# KiCad board MissionOrderFile.kicad_pcb (continued)
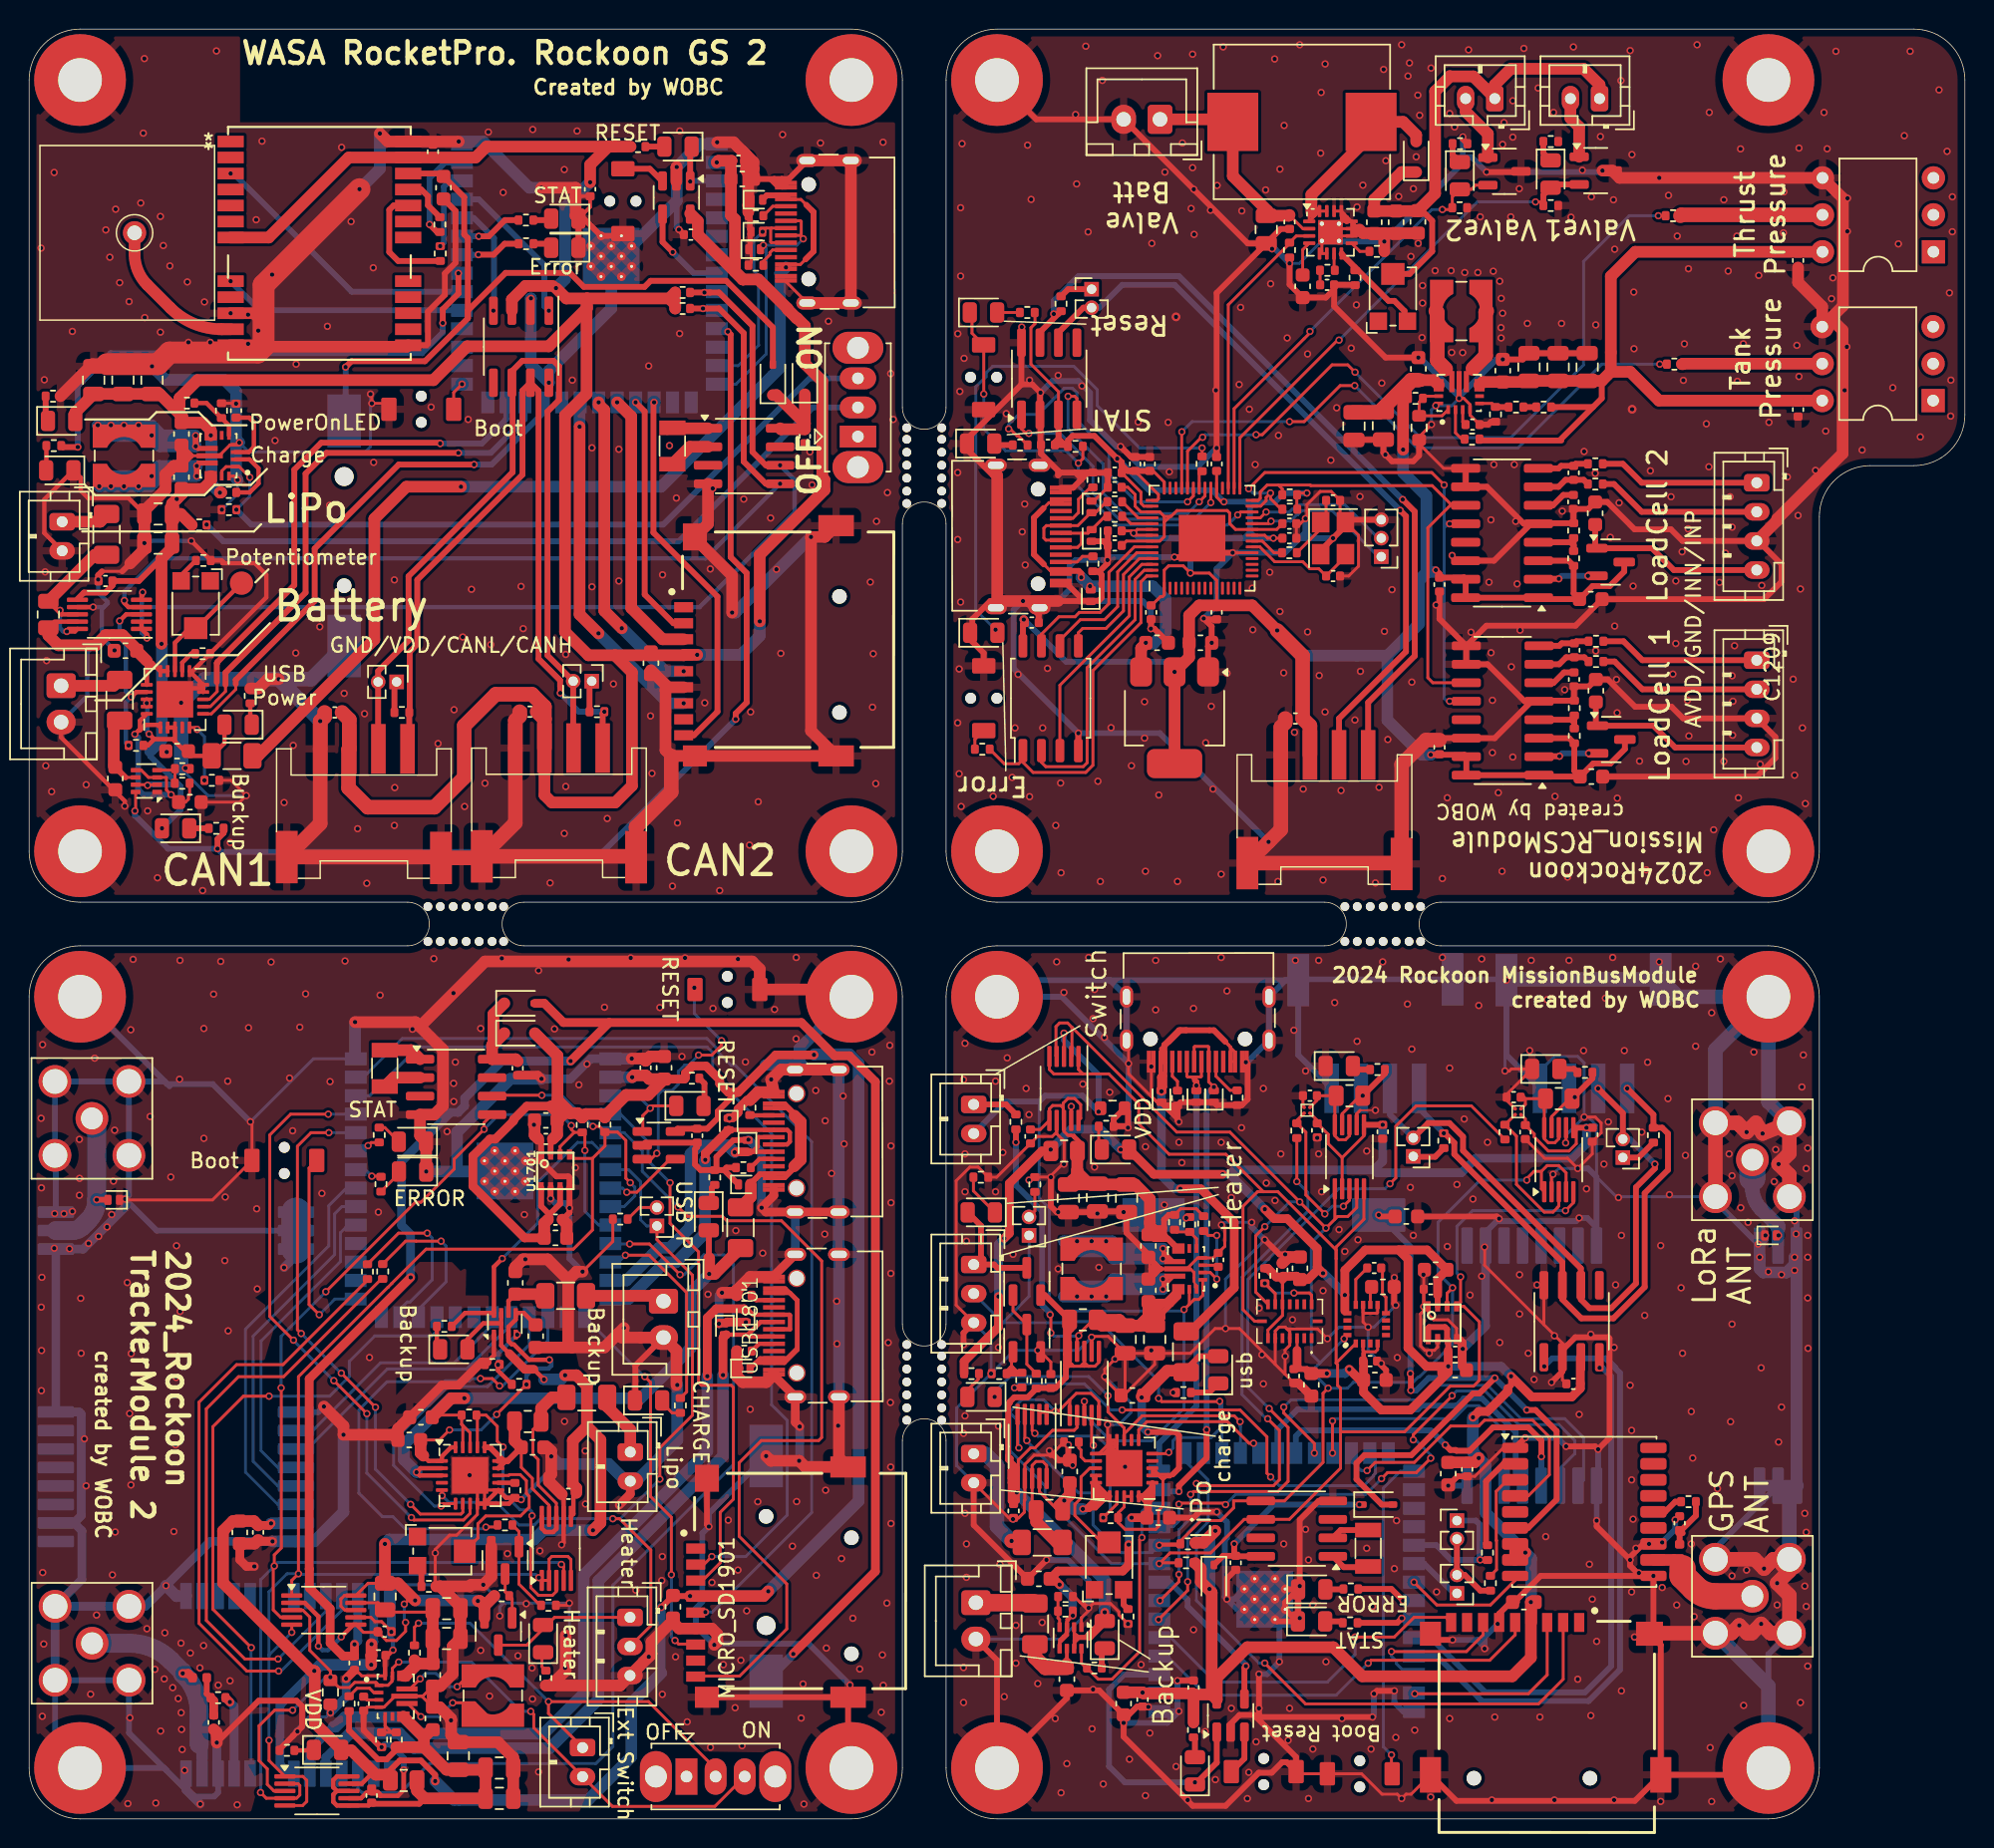
[diagram p0: board, top side]
## Placement (name value [footprint] x y rotation side) (continued)
R603  100k  [R_0402_1005Metric]  11.92 80.08 0 top
R604  10k  [R_0402_1005Metric]  12.55 71.38 180 top
R605  47k  [R_0402_1005Metric]  10.53 72.17 180 top
R606  100k  [R_0402_1005Metric]  7.34 73.78 180 top
R607  100k  [R_0402_1005Metric]  10.52 71.17 180 top
R608  1k  [R_0402_1005Metric]  12.85 68.08 0 top
R609  10k  [R_0402_1005Metric]  11.69 88.92 0 top
R610  1k  [R_0402_1005Metric]  1.7 94.38 0 top
R611  100k  [R_0402_1005Metric]  13.73 89.97 180 top
R612  50m  [R_0805_2012Metric]  1.32 82.77 90 top
R613  100k  [R_0402_1005Metric]  13.72 91.16 0 top
R614  15k  [R_0402_1005Metric]  13.22 96.78 270 top
R615  47k  [R_0402_1005Metric]  10.84 97.3 180 top
R616  1k  [R_0402_1005Metric]  1.64 97.78 0 top
R901  10k  [R_0402_1005Metric]  71.89 94.33 0 top
R902  1k  [R_0402_1005Metric]  68.58 103.53 180 top
R903  5.1k  [R_0402_1005Metric]  73.09 92.02 90 top
R904  5.1k  [R_0402_1005Metric]  73.09 86.25 270 top
R905  1k  [R_0402_1005Metric]  65.49 73.52 180 top
R906  22.4  [R_0402_1005Metric]  74.59 89.52 0 top
R907  22.4  [R_0402_1005Metric]  74.59 90.52 0 top
R908  1k  [R_0402_1005Metric]  86.59 87.02 180 top
R909  10k  [R_0402_1005Metric]  86.62 90 180 top
R910  1k  [R_0402_1005Metric]  68.09 94.41 180 top
R911  10k  [R_0402_1005Metric]  86.61 91 180 top
R912  1k  [R_0402_1005Metric]  80.59 93.12 90 top
R1001  120  [R_0402_1005Metric]  70.9 104.12 270 top
R1101  100k  [R_0402_1005Metric]  86.6 107.81 270 top
R1102  100k  [R_0402_1005Metric]  92.6 107.72 0 top
R1103  2.2k  [R_0402_1005Metric]  89.2 106.42 180 top
R1104  1k  [R_0402_1005Metric]  98.31 115.12 0 top
R1105  1k  [R_0402_1005Metric]  91.1 105.91 270 top
R1106  100k  [R_0402_1005Metric]  98.29 110.72 0 top
R1107  1k  [R_0402_1005Metric]  104.55 115.28 0 top
R1108  100k  [R_0402_1005Metric]  104.55 110.88 0 top
R1201  10k  [R_0402_1005Metric]  95.25 97.62 180 top
R1202  330k  [R_0603_1608Metric]  95.5 95.6 270 top
R1203  100k  [R_0402_1005Metric]  99.14 94.83 180 top
R1204  10k  [R_0402_1005Metric]  100.75 96.53 90 top
R1205  1k  [R_0402_1005Metric]  102.16 97.03 0 top
R1206  51k  [R_0402_1005Metric]  104.06 97.03 0 top
R1207  1k  [R_0402_1005Metric]  112.95 110.17 180 top
R1208  1k  [R_0402_1005Metric]  113.04 99.97 180 top
R1301  100  [R_0402_1005Metric]  107.66 80.93 180 top
R1302  100  [R_0402_1005Metric]  107.66 79.54 180 top
R1303  22k  [R_0402_1005Metric]  106.16 74.43 90 top
R1304  10k  [R_0402_1005Metric]  106.16 76.34 90 top
R1401  100  [R_0402_1005Metric]  107.61 93.12 180 top
R1402  100  [R_0402_1005Metric]  107.61 91.73 180 top
R1403  22k  [R_0402_1005Metric]  106.12 86.62 90 top
R1404  10k  [R_0402_1005Metric]  106.12 88.53 90 top
R1601  1k  [R_0402_1005Metric]  47.11 44.08 90 top
R1602  1k  [R_0402_1005Metric]  44.75 28.41 90 top
R1603  1k  [R_0402_1005Metric]  27.47 15.98 0 top
R1604  100k  [R_0402_1005Metric]  33.38 22.58 270 top
R1605  100k  [R_0402_1005Metric]  30.23 27.75 0 top
R1606  47k  [R_0402_1005Metric]  31.83 31.23 0 top
R1607  100k  [R_0402_1005Metric]  33.67 29.86 180 top
R1608  10k  [R_0402_1005Metric]  32.7 20.2 180 top
R1609  1k  [R_0402_1005Metric]  28.52 33.85 0 top
R1610  100k  [R_0402_1005Metric]  35.69 14.68 0 top
R1611  10k  [R_0402_1005Metric]  32.48 15.33 0 top
R1612  1k  [R_0402_1005Metric]  35.5 9.68 90 top
R1613  50m  [R_0805_2012Metric]  24.45 15.28 270 top
R1614  10k  [R_0402_1005Metric]  26.48 11.42 270 top
R1615  10k  [R_0402_1005Metric]  40.61 41.22 180 top
R1616  330k  [R_0603_1608Metric]  20.7 8.7 270 top
R1617  50m  [R_0805_2012Metric]  34.26 27.31 0 top
R1618  100k  [R_0402_1005Metric]  21.98 7.92 90 top
R1619  15k  [R_0402_1005Metric]  24.22 5.44 90 top
R1620  47k  [R_0402_1005Metric]  25.23 5.44 270 top
R1621  50m  [R_0805_2012Metric]  25.73 2.64 180 top
R1622  1k  [R_0402_1005Metric]  17.72 4.71 180 top
R1801  5.1k  [R_0402_1005Metric]  49.14 32.15 180 top
R1802  5.1k  [R_0402_1005Metric]  49.12 35.98 180 top
R1803  10  [R_0402_1005Metric]  12.98 8.33 180 top
R1804  33  [R_0402_1005Metric]  23.24 37.61 270 top
R1805  33  [R_0402_1005Metric]  24.3 37.62 270 top
R2101  5.1k  [R_0402_1005Metric]  49.08 44.76 180 top
R2102  5.1k  [R_0402_1005Metric]  49.53 48.88 90 top
R2103  470  [R_0402_1005Metric]  45.53 50.9 0 top
R2104  470  [R_0402_1005Metric]  24.17 43.62 270 top
R2105  10k  [R_0402_1005Metric]  39.56 47.71 270 top
R2106  470  [R_0402_1005Metric]  24.05 47 90 top
R2107  10k  [R_0402_1005Metric]  38 47.69 270 top
R2301  5.1k  [R_0402_1005Metric]  83 49.56 270 top
R2302  5.1k  [R_0402_1005Metric]  78.9 49.54 270 top
R2303  470  [R_0402_1005Metric]  80 6.11 270 top
R2304  470  [R_0402_1005Metric]  90.81 15.8 180 top
R2305  10k  [R_0402_1005Metric]  79.49 17.6 180 top
R2306  470  [R_0402_1005Metric]  90.76 13.47 180 top
R2307  10k  [R_0402_1005Metric]  79.61 18.9 180 top
R2401  10k  [R_0402_1005Metric]  87.1 47.3 90 top
R2402  50m  [R_0805_2012Metric]  90.71 49.7 0 top
R2403  1k  [R_0402_1005Metric]  92.64 51.5 0 top
R2404  120  [R_0402_1005Metric]  97.2 46.61 90 top
R2601  33  [R_0402_1005Metric]  100.4 16.2 270 top
R2602  33  [R_0402_1005Metric]  100.2 18.3 270 top
R2603  10  [R_0402_1005Metric]  114.01 21.8 0 top
R2701  10k  [R_0402_1005Metric]  101.4 47.2 90 top
R2702  50m  [R_0805_2012Metric]  105.1 49.5 0 top
R2703  1k  [R_0402_1005Metric]  106.9 51.3 0 top
R2704  120  [R_0402_1005Metric]  111.6 46.99 90 top
R2801  1k  [R_0402_1005Metric]  79.31 29.3 180 top
R2802  1k  [R_0402_1005Metric]  64.75 30.6 180 top
R2803  1k  [R_0402_1005Metric]  75.5 13.91 270 top
R2804  100k  [R_0402_1005Metric]  71.61 25.9 180 top
R2805  100k  [R_0402_1005Metric]  74.31 20.7 180 top
R2806  47k  [R_0402_1005Metric]  71.21 15.28 180 top
R2807  100k  [R_0402_1005Metric]  71.2 14.28 180 top
R2808  10k  [R_0402_1005Metric]  68.2 30.16 270 top
R2809  1k  [R_0402_1005Metric]  73.19 10.37 180 top
R2810  100k  [R_0402_1005Metric]  66.65 30.6 180 top
R2811  10k  [R_0402_1005Metric]  69.2 30.09 90 top
R2812  1k  [R_0402_1005Metric]  65.39 44.1 180 top
R2813  50m  [R_0805_2012Metric]  72.4 34.3 0 top
R2814  10k  [R_0402_1005Metric]  67.8 47.9 270 top
R2815  10k  [R_0402_1005Metric]  69.1 43.6 90 top
R2816  330k  [R_0603_1608Metric]  74.44 48.84 0 top
R2817  50m  [R_0805_2012Metric]  70.1 21.2 180 top
R2818  100k  [R_0402_1005Metric]  80.7 40.91 270 top
R2819  15k  [R_0402_1005Metric]  79.74 40.85 270 top
R2820  47k  [R_0402_1005Metric]  78.7 41 90 top
R2821  50m  [R_0805_2012Metric]  71.11 45.9 180 top
R2822  1k  [R_0402_1005Metric]  74 47.6 0 top
R3101  4.7k  [R_0402_1005Metric]  84.9 37.33 90 top
REF**  -  [Board_1U_60x60]  93 93 90 top
REF**#2  -  [Board_1U_60x60]  30 30 90 top
REF**#3  -  [Board_1U_60x60]  30 93 0 top
REF**#4  -  [Board_1U_60x60]  93 30 180 top
RV601  RV10k  [Potentiometer_Bourns_TC33X_Vertical]  11.45 83.28 270 top
RV1101  RV20k  [Potentiometer_Bourns_TC33X_Vertical]  93.7 104.72 90 top
RV1601  RV10k  [Potentiometer_Bourns_TC33X_Vertical]  28.48 18.4 0 top
RV2801  RV10k  [Potentiometer_Bourns_TC33X_Vertical]  74.2 17.55 90 top
SW201  RESET_sw  [TVAF06-A020B-R]  40.8 111.17 180 top
SW202  RESET_sw  [TVAF06-A020B-R]  26.95 96.88 90 top
SW601  Power Switch  [SW_Slide_SPDT_Straight_CK_OS102011MS2Q]  56.94 95 90 top
SW901  RESET_sw  [TVAF06-A020B-R]  65.58 99.08 180 top
SW902  BOOT0  [TVAF06-A020B-R]  65.59 77.02 180 top
SW1601  Power Switch  [SW_Slide_SPDT_Straight_CK_OS102011MS2Q]  45.17 2.91 0 top
SW2101  RESET_sw  [TVAF06-A020B-R]  47.97 57 270 top
SW2102  RESET_sw  [TVAF06-A020B-R]  17.53 45.25 90 top
SW2301  RESET_sw  [TVAF06-A020B-R]  84.83 3.25 270 top
SW2302  Boot_sw  [TVAF06-A020B-R]  91.42 3.1 90 top
U201  TPS3820  [SOT-23-5]  44.47 111.42 270 top
U202  SN65HVD230  [SOIC-8_3.9x4.9mm_P1.27mm]  33.8 101.17 270 top
U203  -  [ESP32-S3-WROOM-1]  38.5 109.85 180 bottom
U301  -  [ATGM332D-5N31]  19.95 107.67 180 top
U601  MCP73871-1CC  [QFN-20-1EP_4x4mm_P0.5mm_EP2.5x2.5mm]  10.02 76.94 90 top
U602  TPS2116DRL  [SOT-583-8]  8.06 71.33 180 top
U603  TPS63070RNMR  [VREG_TPS63070RNMR]  13.01 93.68 180 top
U604  INA226  [VSSOP-10_3x3mm_P0.5mm]  5.52 82.78 180 top
U701  PCF8563T  [SOIC-8_3.9x4.9mm_P1.27mm]  49.12 93.66 0 top
U801  AMS1117-3.3  [SOT-223-3_TabPin2]  78.7 75.67 270 top
U901  SN65HVD230  [SOIC-8_3.9x4.9mm_P1.27mm]  70.08 98.97 90 top
U902  W25Q128JVS  [SOIC-8_5.23x5.23mm_P1.27mm]  70.19 77.02 90 top
U903  RP2040  [QFN-56-1EP_7x7mm_P0.4mm_EP3.2x3.2mm]  80.59 88.02 90 top
U1101  TPS55340RTER  [WQFN-16-1EP_3x3mm_P0.5mm_EP1.68x1.68mm_ThermalVias]  89.41 109.03 0 top
U1201  TPS63070RNMR  [VREG_TPS63070RNMR]  98.25 98 90 top
U1202  MIS-2500-150G  [DIP-6_W7.62mm]  130.84 107.69 180 top
U1203  MIS-2500-150G  [DIP-6_W7.62mm]  130.82 97.47 180 top
U1301  HX711  [SOP-16_3.9x9.9mm_P1.27mm]  101.25 76.17 180 top
U1401  HX711  [SOP-16_3.9x9.9mm_P1.27mm]  101.2 88.37 180 top
U1601  MCP73871-1CC  [QFN-20-1EP_4x4mm_P0.5mm_EP2.5x2.5mm]  30.3 23.6 0 top
U1602  TPS2116DRL  [SOT-583-8]  32.69 34.03 90 top
U1603  INA226  [VSSOP-10_3x3mm_P0.5mm]  20.24 14.35 0 top
U1604  INA226  [VSSOP-10_3x3mm_P0.5mm]  36.22 18.59 90 top
U1605  TPS63070RNMR  [VREG_TPS63070RNMR]  25.19 8.43 0 top
U1606  INA226  [VSSOP-10_3x3mm_P0.5mm]  19.77 1.92 0 top
U1701  -  [BME280]  36.16 44.53 90 top
U1801  NEO-M9N-00B  [ATGM332D-5N31]  17.19 9.21 270 bottom
U1901  PCF8563T  [SOIC-8_3.9x4.9mm_P1.27mm]  29.34 50.31 0 top
U2001  -  [E220-900T22S(JP)]  10.09 41.7 0 bottom
U2101  TPS3820  [SOT-23-5]  43.27 46.29 0 top
U2102  -  [ESP32-S3-WROOM-1]  31.19 46.98 180 bottom
U2301  TPS3820  [SOT-23-5]  82.55 7.1 90 top
U2302  SN65HVD230  [SOIC-8_3.9x4.9mm_P1.27mm]  105.98 34.2 90 top
U2303  -  [ESP32-S3-WROOM-1]  86.4 12.64 0 bottom
U2401  TCK106AF  [WCSPD-4(0.8x0.8)]  87.8 48.7 180 top
U2402  INA226  [VSSOP-10_3x3mm_P0.5mm]  90.71 45.5 90 top
U2501  PCF8563T  [SOIC-8_3.9x4.9mm_P1.27mm]  87.1 19.95 180 top
U2601  MAX-M10S  [ublox_MAX]  106.85 21.1 0 top
U2701  TCK106AF  [WCSPD-4(0.8x0.8)]  102.3 48.6 180 top
U2702  INA226  [VSSOP-10_3x3mm_P0.5mm]  105.1 45.3 90 top
U2801  MCP73871-1CC  [QFN-20-1EP_4x4mm_P0.5mm_EP2.5x2.5mm]  75.24 24.1 180 top
U2802  TPS2116DRL  [SOT-583-8]  71.55 12.44 270 top
U2803  INA226  [VSSOP-10_3x3mm_P0.5mm]  72.5 29.94 90 top
U2804  INA226  [VSSOP-10_3x3mm_P0.5mm]  68.91 25.6 270 top
U2805  TPS63070RNMR  [VREG_TPS63070RNMR]  79.49 37.8 180 top
U2806  INA226  [VSSOP-10_3x3mm_P0.5mm]  71.1 50.2 270 top
U2901  -  [E220-900T22S(JP)]  121.43 31.15 270 bottom
U3001  -  [BME280]  97.1 34.1 90 top
U3101  -  [BMI088]  86.61 34.2 180 top
U3102  QMC5883L  [_HMC5883L]  91.9 34 90 top
USB201  USB_C_Receptacle_USB2.0  [USB_C_TYPEC-301S-ACP16X7]  55.67 109.08 90 top
USB901  USB_C_Receptacle_USB2.0  [USB_C_TYPEC-301S-ACP16X7]  67.21 88.13 270 top
USB1801  USB_C_Receptacle_USB2.0  [USB_C_TYPEC-301S-ACP16X7#2]  54.85 33.9 90 top
USB2101  USB_C_Receptacle_USB2.0  [USB_C_TYPEC-301S-ACP16X7#2]  54.83 46.6 90 top
USB2301  USB_C_Receptacle_USB2.0  [USB_C_TYPEC-301S-ACP16X7]  80.3 55.71 180 top
Y701  Crystal  [Crystal_SMD_3215-2Pin_3.2x1.5mm]  44.19 94.35 90 top
Y901  Crystal_GND24  [Crystal_SMD_3225-4Pin_3.2x2.5mm]  89.59 88.02 270 top
Y1901  Crystal  [Crystal_SMD_3215-2Pin_3.2x1.5mm]  24.44 51.58 90 top
Y2501  Crystal  [Crystal_SMD_3215-2Pin_3.2x1.5mm]  92 18.6 270 top

## Library data of the parts
AE301 = -: LCSC: C784391
BT101 BT2201 = -: Description: Multiple-cell battery
BT1501 = -: Description: Single-cell battery
C101 C203 C602 C603 C701 C1203 C1205 C1601-C1603 C1605 C1606 C1610 C1612 C1701 C1704 C1901 C2001 C2102 C2201 C2303 C2501 C2801-C2803 C2805 C2806 C2810 C2812 C2901 C3001 C3004 C3103 C3104 C3108 = -: LCSC: C96446; ki_fp_filters: C_*
C201 C202 C204 C301 C401 C501 C702 C901 C902 C905 C906 C908 C910-C915 C1001 C1204 C1209 C1210 C1604 C1609 C1611 C1616 C1702 C1703 C1801 C1802 C1902 C2002 C2101 C2103 C2301 C2302 C2304 C2401-C2403 C2502 C2701-C2703 C2804 C2809 C2811 C2816 C2902 C3002 C3003 C3101 C3102 C3107 = -: LCSC: C1525; ki_fp_filters: C_*
C601 C606 C607 C610 C801 C802 C1301 C1304 C1401 C1404 = -: Description: Unpolarized capacitor; LCSC: C96446; ki_fp_filters: C_*
C604 C605 C611-C613 C1102 = -: Description: Unpolarized capacitor; LCSC: C15850; ki_fp_filters: C_*
C608 C609 C1103 C1104 C1302 C1303 C1305 C1402 C1403 C1405 C1803 = -: Description: Unpolarized capacitor; LCSC: C1525; ki_fp_filters: C_*
C903 C904 = -: LCSC: C1555; ki_fp_filters: C_*
C907 C909 = -: LCSC: C52923; ki_fp_filters: C_*
C1101 = -: Description: Unpolarized capacitor; LCSC: C1622; ki_fp_filters: C_*
C1105-C1107 = -: Description: Unpolarized capacitor; LCSC: C19666; ki_fp_filters: C_*
C1201 C1202 C1206-C1208 C1607 C1608 C1613-C1615 C2807 C2808 C2813-C2815 = -: LCSC: C45783; ki_fp_filters: C_*
C2601 = -: LCSC: C318577; ki_fp_filters: C_*
C3105 = -: LCSC: C16772; ki_fp_filters: C_*
C3106 = -: LCSC: C19666; ki_fp_filters: C_*
D201-D203 D902-D904 D1801-D1803 D2101-D2103 D2301-D2303 = -: Datasheet: https://www.onsemi.com/pub/Collateral/ESD9B-D.PDF; LCSC: C7420372; ki_fp_filters: D*SOD?923*
D204 D901 D2104 D2304 LED1602-LED1604 LED2802-LED2804 = -: LCSC: C2296; ki_fp_filters: LED* LED_SMD:* LED_THT:*
D205 D906 D2105 D2305 = -: LCSC: C84256; ki_fp_filters: LED* LED_SMD:* LED_THT:*
D206 D905 D2106 D2306 LED1601 LED1605 LED2401 LED2701 LED2801 LED2805 = -: LCSC: C2297; ki_fp_filters: LED* LED_SMD:* LED_THT:*
D701 D702 D1101 D1901 D1902 D2501 D2502 = -: Description: Diode; Sim.Pins: 1=K 2=A; LCSC: C191023; ki_fp_filters: TO-???* *_Diode_* *SingleDiode* D_*
D1102 D1103 LED601 LED604 = -: Description: Light emitting diode; LCSC: C2297; ki_fp_filters: LED* LED_SMD:* LED_THT:*
D2001 D2901 = -: Datasheet: https://www.onsemi.com/pub/Collateral/ESD9B-D.PDF; Description: ESD protection diode, 5.0Vrwm, SOD-923; LCSC: C7420372; ki_fp_filters: D*SOD?923*
F601-F603 F1602 F2802 = -: Description: Resettable fuse, polymeric positive temperature coefficient; LCSC: C883133; ki_fp_filters: *polyfuse* *PTC*
F1601 F1603 F2801 F2803 = -: LCSC: C883133; ki_fp_filters: *polyfuse* *PTC*
J401 J501 J901 J1001 J1601-J1605 J2401 J2701 J2801-J2803 J2805 = -: ki_fp_filters: Connector*:*_1x??_*
J402 J502 J1002 J2402 J2702 = -: ki_fp_filters: Connector*:*_1x??-1MP*
J601 J602 J801 J1101 J1102 J2601 J2602 J2804 = -: Description: Generic connector, single row, 01x02, script generated (kicad-library-utils/schlib/autogen/connector/); ki_fp_filters: Connector*:*_1x??_*
J1301 J1401 = -: Description: Generic connector, single row, 01x04, script generated (kicad-library-utils/schlib/autogen/connector/); ki_fp_filters: Connector*:*_1x??_*
J1801 J2001 J2603 J2901 = -: LCSC: C2693813; ki_fp_filters: *BNC* *SMA* *SMB* *SMC* *Cinch* *LEMO*
L601 = -: Description: Inductor; LCSC: C3033018; ki_fp_filters: Choke_* *Coil* Inductor_* L_*
L1101 = -: Description: Inductor; LCSC: C1519857; ki_fp_filters: Choke_* *Coil* Inductor_* L_*
L1201 L1601 L2801 = -: LCSC: C3033018; ki_fp_filters: Choke_* *Coil* Inductor_* L_*
L1801 L2601 = -: LCSC: C18830; ki_fp_filters: Choke_* *Coil* Inductor_* L_*
LED602 LED603 = -: Description: Light emitting diode; LCSC: C2296; ki_fp_filters: LED* LED_SMD:* LED_THT:*
MICRO_SD701 MICRO_SD1901 MICRO_SD2501 = -: Description: Standard Card Edge Connectors; MF: HRO Electronics Co., Ltd.; Package: Package; Price: None; SnapEDA_Link: https://www.snapeda.com/parts/TF-01A/HRO+Electronics+Co.%252C+Ltd./view-part/?ref=snap; Availability: Not in stock; Check_prices: https://www.snapeda.com/parts/TF-01A/HRO+Electronics+Co.%252C+Ltd./view-part/?ref=eda; LCSC: C5155563
Q1101 Q1102 = -: Datasheet: https://ngspice.sourceforge.io/docs/ngspice-html-manual/manual.xhtml#cha_MOSFETs; Description: N-MOSFET transistor, drain/source/gate; Sim.Type: VDMOS; Sim.Pins: 1=D 2=G 3=S; LCSC: C20917
Q1301 Q1401 = -: Datasheet: https://ngspice.sourceforge.io/docs/ngspice-html-manual/manual.xhtml#cha_BJTs; Description: Bipolar transistor symbol for simulation only, substrate tied to the emitter; Sim.Type: GUMMELPOON; Sim.Pins: 1=C 2=B 3=E; LCSC: C8326
Q1601 Q2801 = -: LCSC: C20526
Q1602 Q2802 = -: LCSC: C15127
R201 R202 R903 R904 R1801 R1802 R2101 R2102 R2301 R2302 = -: LCSC: C25905; ki_fp_filters: R_*
R203 R204 R206 R2103 R2104 R2106 R2303 R2304 R2306 = -: LCSC: C25117; ki_fp_filters: R_*
R205 R207 R901 R909 R911 R1201 R1204 R1608 R1611 R1614 R1615 R2105 R2107 R2305 R2307 R2401 R2701 R2808 R2811 R2814 R2815 = -: LCSC: C25744; ki_fp_filters: R_*
R301 R302 R1804 R1805 = -: LCSC: C25105; ki_fp_filters: R_*
R401 R501 R1001 R2404 R2704 = -: LCSC: C25079; ki_fp_filters: R_*
R601 R602 R608 R610 R616 R1104 R1105 R1107 = -: Description: Resistor; LCSC: C11702; ki_fp_filters: R_*
R603 R606 R611 R613 R1101 R1102 R1106 R1108 = -: Description: Resistor; LCSC: C25741; ki_fp_filters: R_*
R604 R609 R1304 R1404 = -: Description: Resistor; LCSC: C25744; ki_fp_filters: R_*
R605 R1606 R1620 R2806 R2820 = -: LCSC: C25792; ki_fp_filters: R_*
R607 R1203 R1604 R1605 R1607 R1610 R1618 R2804 R2805 R2807 R2810 R2818 = -: LCSC: C25741; ki_fp_filters: R_*
R612 = -: Description: Resistor; LCSC: C247602; ki_fp_filters: R_*
R614 = -: Description: Resistor; LCSC: C25756; ki_fp_filters: R_*
R615 = -: Description: Resistor; LCSC: C25792; ki_fp_filters: R_*
R902 R905 R908 R910 R912 R1205 R1207 R1208 R1601-R1603 R1609 R1612 R1622 R2403 R2703 R2801-R2803 R2809 R2812 R2822 = -: LCSC: C11702; ki_fp_filters: R_*
R906 R907 = -: LCSC: C25092; ki_fp_filters: R_*
R1103 = -: Description: Resistor; LCSC: C25879; ki_fp_filters: R_*
R1202 R1616 R2816 = -: LCSC: C23137; ki_fp_filters: R_*
R1206 = -: LCSC: C25794; ki_fp_filters: R_*
R1301 R1302 R1401 R1402 = -: Description: Resistor; LCSC: C25076; ki_fp_filters: R_*
R1303 R1403 = -: Description: Resistor; LCSC: C25768; ki_fp_filters: R_*
R1613 R1617 R1621 R2402 R2702 R2813 R2817 R2821 = -: LCSC: C247602; ki_fp_filters: R_*
R1619 R2819 = -: LCSC: C25756; ki_fp_filters: R_*
R1803 R2603 = -: LCSC: C25077; ki_fp_filters: R_*
R2601 R2602 = -: Description: Resistor, US symbol; LCSC: C25105; ki_fp_filters: R_*
R3101 = -: LCSC: C25900; ki_fp_filters: R_*
RV601 = -: Description: Potentiometer; LCSC: C719176; ki_fp_filters: Potentiometer*
RV1101 = -: Description: Potentiometer; LCSC: C720648; ki_fp_filters: Potentiometer*
RV1601 RV2801 = -: LCSC: C719176; ki_fp_filters: Potentiometer*
SW601 = -: Description: Switch, single pole double throw
U201 U2101 U2301 = -: LCSC: C7719
U202 U901 U2302 = -: Datasheet: http://www.ti.com/lit/ds/symlink/sn65hvd230.pdf; LCSC: C12084; ki_fp_filters: SOIC*3.9x4.9mm*P1.27mm*
U203 U2102 U2303 = -: Datasheet: https://www.espressif.com/sites/default/files/documentation/esp32-s3-wroom-1_wroom-1u_datasheet_en.pdf
U301 = -: Datasheet: NEO-M9N-00B; LCSC: C128659; ki_fp_filters: SMT_9N-00B_UBL
U601 = -: Description: Single cell, Li-Ion/Li-Po charge management controller, 4.10V, 6h safety timer, 3.1V LBO threshold; LCSC: C511310; ki_fp_filters: QFN*4x4mm*P0.5mm*
U602 U1602 U2802 = -: Datasheet: https://www.ti.com/lit/ds/symlink/tps2116.pdf; Description: 2 Channnels Power Mux with Manual and Priority Switchover, 1.6-5.5V Input Voltage, 2.5A Output Current, Ron 40 mOhm, SOT-583-8; LCSC: C3235557; ki_fp_filters: SOT?5?3*
U603 U2805 = -: Description: Wide input voltage (2V-16V) buck-boost converter; Availability: In Stock; Check_prices: https://www.snapeda.com/parts/TPS63070RNMR/Texas+Instruments/view-part/?ref=eda; MF: Texas Instruments; Package: VQFN-HR-15 Texas Instruments; Price: None; Purchase-URL: https://www.snapeda.com/api/url_track_click_mouser/?unipart_id=583017&manufacturer=Texas Instruments&part_name=TPS63070RNMR&search_term=None; SnapEDA_Link: https://www.snapeda.com/parts/TPS63070RNMR/Texas+Instruments/view-part/?ref=snap; LCSC: C109322
U604 = -: Datasheet: http://www.ti.com/lit/ds/symlink/ina226.pdf; Description: High-Side or Low-Side Measurement, Bi-Directional Current and Power Monitor (0-36V) with I2C Compatible Interface, VSSOP-10; LCSC: C49851; ki_fp_filters: VSSOP*3x3mm*P0.5mm*
U701 U1901 U2501 = -: Datasheet: https://www.nxp.com/docs/en/data-sheet/PCF8563.pdf; LCSC: C7440; ki_fp_filters: SOIC*3.9x4.9mm*P1.27mm*
U801 = -: Datasheet: http://www.advanced-monolithic.com/pdf/ds1117.pdf; Description: 1A Low Dropout regulator, positive, 3.3V fixed output, SOT-223; LCSC: C6186; ki_fp_filters: SOT?223*TabPin2*
U902 = -: Datasheet: http://www.winbond.com/resource-files/w25q128jv_dtr%20revc%2003272018%20plus.pdf; LCSC: C97521; ki_fp_filters: SOIC*5.23x5.23mm*P1.27mm*
U903 = -: Datasheet: https://datasheets.raspberrypi.com/rp2040/rp2040-datasheet.pdf; LCSC: C2040; ki_fp_filters: QFN*1EP*7x7mm?P0.4mm*
U1101 = -: LCSC: C169167
U1201 = -: Description: Wide input voltage (2V-16V) buck-boost converter; MF: Texas Instruments; Package: VQFN-HR-15 Texas Instruments; Price: None; SnapEDA_Link: https://www.snapeda.com/parts/TPS63070RNMR/Texas+Instruments/view-part/?ref=snap; Purchase-URL: https://www.snapeda.com/api/url_track_click_mouser/?unipart_id=583017&manufacturer=Texas Instruments&part_name=TPS63070RNMR&search_term=None; Availability: In Stock; Check_prices: https://www.snapeda.com/parts/TPS63070RNMR/Texas+Instruments/view-part/?ref=eda; LCSC: C109322
U1301 U1401 = -: Datasheet: https://web.archive.org/web/20220615044707/https://akizukidenshi.com/download/ds/avia/hx711.pdf; Description: 24-Bit Analog-to-Digital Converter (ADC) for Weight Scales; LCSC: C6705483; ki_fp_filters: SOP*3.9x9.9mm*P1.27mm*
U1601 U2801 = -: Datasheet: http://www.mouser.com/ds/2/268/22090a-52174.pdf; LCSC: C511310; ki_fp_filters: QFN*4x4mm*P0.5mm*
U1603 U1604 U1606 U2402 U2702 U2803 U2804 U2806 = -: Datasheet: http://www.ti.com/lit/ds/symlink/ina226.pdf; LCSC: C49851; ki_fp_filters: VSSOP*3x3mm*P0.5mm*
U1605 = -: Description: Wide input voltage (2V-16V) buck-boost converter; LCSC: C109322; MF: Texas Instruments; Package: VQFN-HR-15 Texas Instruments; Price: None; SnapEDA_Link: https://www.snapeda.com/parts/TPS63070RNMR/Texas+Instruments/view-part/?ref=snap; Purchase-URL: https://www.snapeda.com/api/url_track_click_mouser/?unipart_id=583017&manufacturer=Texas Instruments&part_name=TPS63070RNMR&search_term=None; Availability: In Stock; Check_prices: https://www.snapeda.com/parts/TPS63070RNMR/Texas+Instruments/view-part/?ref=eda
U1701 U3001 = -: LCSC: C92489
U1801 = -: ki_fp_filters: SMT_9N-00B_UBL
U2001 U2901 = -: Datasheet: https://dragon-torch.tech/wp-content/uploads/2023/05/data_sheet_Rev1.4.pdf
U2401 U2701 = -: LCSC: C146305
U2601 = -: Datasheet: https://content.u-blox.com/sites/default/files/MAX-M10S_DataSheet_UBX-20035208.pdf; Description: GNSS Module MAX M10, VCC 1.65V to 3.6V; ki_fp_filters: ublox?MAX*
U3101 = -: Datasheet: http://uk.rs-online.com/web/p/products/2457367P; Description: Inertial Measurement Unit Digital Output 2.5V/3.3V Automotive; Height: 1.45; RS Part Number: 2457367P; RS Price/Stock: http://uk.rs-online.com/web/p/products/2457367P; Manufacturer_Name: BOSCH; LCSC: C194919
U3102 = -: シンボル名: _QMC5883L; LCSC: C976032
USB201 USB901 USB1801 USB2101 USB2301 = -: Datasheet: https://www.usb.org/sites/default/files/documents/usb_type-c.zip; LCSC: C2856766; ki_fp_filters: USB*C*Receptacle*
Y701 Y1901 Y2501 = -: LCSC: C32346; ki_fp_filters: Crystal*
Y901 = -: LCSC: C9002; ki_fp_filters: Crystal*

## Footprints (pads in the part's own frame, mm; a bottom-side part is the same pattern mirrored in y, then rotated)
_HMC5883L
  rect 0.55x0.3 smd: 1(-1.325,0.75) 2(-1.325,0.25) 3(-1.325,-0.25) 4(-1.325,-0.75) 9(1.325,-0.75) 10(1.325,-0.25) 11(1.325,0.25) 12(1.325,0.75)
  rect 0.3x0.55 smd: 5(-0.75,-1.325) 6(-0.25,-1.325) 7(0.25,-1.325) 8(0.75,-1.325) 13(0.75,1.325) 14(0.25,1.325) 15(-0.25,1.325) 16(-0.75,1.325)
ATGM332D-5N31
  rect 1.8x0.8 smd: 1(6.1,-7.6) 2(6.1,-6.5) 3(6.1,-5.4) 4(6.1,-4.3) 5(6.1,-3.2) 6(6.1,-2.1) 7(6.1,-1) 8(6.1,2) 9(6.1,3.1) 10(6.1,4.2) 11(6.1,5.3) 12(6.1,6.4) 13(-6.1,6.4) 14(-6.1,5.3) 15(-6.1,4.2) 16(-6.1,3.1) 17(-6.1,2) 18(-6.1,-1) 19(-6.1,-2.1) 20(-6.1,-3.2) 21(-6.1,-4.3) 22(-6.1,-5.4) 23(-6.1,-6.5) 24(-6.1,-7.6)
BME280
  rect 0.7x0.35 smd: 1(1.125,0.975) 2(1.125,0.325) 3(1.125,-0.325) 4(1.125,-0.975) 5(-1.125,-0.975) 6(-1.125,-0.325) 7(-1.125,0.325) 8(-1.125,0.975)
BMI088
  rect 0.25x0.675 smd: 1(-1.5,1.165) 2(-1,1.165) 3(-0.5,1.165) 4(0,1.165) 5(0.5,1.165) 6(1,1.165) 7(1.5,1.165) 9(1.5,-1.165) 10(1,-1.165) 11(0.5,-1.165) 12(0,-1.165) 13(-0.5,-1.165) 14(-1,-1.165) 15(-1.5,-1.165)
  rect 0.675x0.25 smd: 8(1.915,0) 16(-1.915,0)
Board_1U_60x60
  round 6.3 hole 3: GND(-26.5,26.5) GND(-26.5,-26.5) GND(26.5,26.5) GND(26.5,-26.5)
C_0402_1005Metric
  rrect 0.56x0.62 smd: 1(-0.48,0) 2(0.48,0)
C_0603_1608Metric
  rrect 0.9x0.95 smd: 1(-0.775,0) 2(0.775,0)
C_0805_2012Metric
  rrect 1x1.45 smd: 1(-0.95,0) 2(0.95,0)
cr1220
  rect 3.66x2.3 smd: 1(-7.575,0)
  rect 4.3x2.3 smd: 2(7.895,0)
cr1220#2
  round 1.3 hole 1.3 unplated: (-3.75,0)
  round 1 hole 1 unplated: (3.75,0)
  rect 3.66x2.3 smd: 1(-7.575,0)
  rect 4.3x2.3 smd: 2(7.895,0)
Crystal_SMD_3215-2Pin_3.2x1.5mm
  rect 1x1.8 smd: 1(1.25,0) 2(-1.25,0)
Crystal_SMD_3225-4Pin_3.2x2.5mm
  rect 1.4x1.2 smd: 1(-1.1,-0.85) 2(1.1,-0.85) 3(1.1,0.85) 4(-1.1,0.85)
D_0805_2012Metric
  rrect 0.975x1.4 smd: 1(-0.938,0) 2(0.938,0)
D_SOD-323
  rrect 0.6x0.45 smd: 1(-1.05,0) 2(1.05,0)
D_SOD-882D
  rrect 0.3x0.6 smd: (-0.35,0) (0.35,0)
  rrect 0.5x0.7 smd: 1(-0.4,0) 2(0.4,0)
DIP-6_W7.62mm
  rect 1.6x1.6 hole 0.8: 1(0,0)
  oval 1.6x1.6 hole 0.8: 2(0,-2.54) 3(0,-5.08) 4(7.62,0) 5(7.62,-2.54) 6(7.62,-5.08)
E220-900T22S(JP)
  rrect 2.5x0.8 smd: 1(8.25,0) 2(8.25,1.27) 3(8.25,2.54) 4(8.25,13.74) 5(8.25,15.01) 6(8.25,16.28) 7(8.25,17.55) 8(8.25,18.82) 9(8.25,20.09) 10(8.25,21.36) 11(8.25,22.63) 12(-8.25,22.63) 13(-8.25,21.36) 14(-8.25,20.09) 15(-8.25,18.82) 16(-8.25,17.55) 17(-8.25,16.28) 18(-8.25,15.01) 19(-8.25,13.74) 20(-8.25,2.54) 21(-8.25,1.27) 22(-8.25,0)
ESP32-S3-WROOM-1
  rect 0.9x0.9 smd: (-2.9,-3.86) (-2.9,-2.46) (-2.9,-1.06) (-1.5,-3.86) (-1.5,-2.46) (-1.5,-1.06) (-0.1,-3.86) (-0.1,-2.46) (-0.1,-1.06)
  rect 1.5x0.9 smd: 1(-8.75,5.26) 2(-8.75,3.99) 3(-8.75,2.72) 4(-8.75,1.45) 5(-8.75,0.18) 6(-8.75,-1.09) 7(-8.75,-2.36) 8(-8.75,-3.63) 9(-8.75,-4.9) 10(-8.75,-6.17) 11(-8.75,-7.44) 12(-8.75,-8.71) 13(-8.75,-9.98) 14(-8.75,-11.25) 27(8.75,-11.25) 28(8.75,-9.98) 29(8.75,-8.71) 30(8.75,-7.44) 31(8.75,-6.17) 32(8.75,-4.9) 33(8.75,-3.63) 34(8.75,-2.36) 35(8.75,-1.09) 36(8.75,0.18) 37(8.75,1.45) 38(8.75,2.72) 39(8.75,3.99) 40(8.75,5.26)
  rect 0.9x1.5 smd: 15(-6.985,-12.5) 16(-5.715,-12.5) 17(-4.445,-12.5) 18(-3.175,-12.5) 19(-1.905,-12.5) 20(-0.635,-12.5) 21(0.635,-12.5) 22(1.905,-12.5) 23(3.175,-12.5) 24(4.445,-12.5) 25(5.715,-12.5) 26(6.985,-12.5)
  round 0.6 hole 0.2: 41(-2.9,-3.16) 41(-2.9,-1.76) 41(-2.2,-3.86) 41(-2.2,-2.46) 41(-2.2,-1.06) 41(-1.5,-3.16) 41(-1.5,-1.76) 41(-0.8,-3.86) 41(-0.8,-2.46) 41(-0.8,-1.06) 41(-0.1,-3.16) 41(-0.1,-1.76)
  rect 3.9x3.9 smd: 41(-1.5,-2.46)
Fuse_1206_3216Metric
  rrect 1.25x1.75 smd: 1(-1.4,0) 2(1.4,0)
GNSS_Antenna_1212
  round 1.6 hole 1: 1(0,0.5)
Grove_4P_L_SMD
  rect 1x3.4 smd: 1(3,3.7) 2(1,3.7) 3(-1,3.7) 4(-3,3.7)
  rect 1.5x3.6 smd: MP(-5.3,-3.74) MP(5.3,-3.8)
JST_PH_B2B-PH-K_1x02_P2.00mm_Vertical
  rrect 1.2x1.75 hole 0.75: 1(0,0)
  oval 1.2x1.75 hole 0.75: 2(2,0)
JST_PH_B3B-PH-K_1x03_P2.00mm_Vertical
  rrect 1.2x1.75 hole 0.75: 1(0,0)
  oval 1.2x1.75 hole 0.75: 2(2,0) 3(4,0)
JST_PH_B4B-PH-K_1x04_P2.00mm_Vertical
  rrect 1.2x1.75 hole 0.75: 1(0,0)
  oval 1.2x1.75 hole 0.75: 2(2,0) 3(4,0) 4(6,0)
JST_XH_B2B-XH-A_1x02_P2.50mm_Vertical
  rrect 1.7x2 hole 1: 1(0,0)
  oval 1.7x2 hole 1: 2(2.5,0)
L_0402_1005Metric
  rrect 0.59x0.64 smd: 1(-0.485,0) 2(0.485,0)
L_Chilisin_BMRF00101040
  rect 3.5x4 smd: 1(-4.75,0) 2(4.75,0)
L_Wuerth_WE-TPC-3816
  custom 4.3x1.6 smd: 1(0,1.75) 2(0,-1.75)
LED_0805_2012Metric
  rrect 0.975x1.4 smd: 1(-0.938,0) 2(0.938,0)
PinHeader_1x02_P1.27mm_Vertical
  rect 1x1 hole 0.65: 1(0,0)
  oval 1x1 hole 0.65: 2(0,-1.27)
PinHeader_1x03_P1.27mm_Vertical
  rect 1x1 hole 0.65: 1(0,0)
  oval 1x1 hole 0.65: 2(0,-1.27) 3(0,-2.54)
Potentiometer_Bourns_TC33X_Vertical
  rect 1.2x1.2 smd: 1(-1.8,1) 3(-1.8,-1)
  rect 1.5x1.6 smd: 2(1.45,0)
QFN-20-1EP_4x4mm_P0.5mm_EP2.5x2.5mm
  rrect 1.01x1.01 smd: (-0.625,0.625) (-0.625,-0.625) (0.625,0.625) (0.625,-0.625)
  rrect 0.825x0.25 smd: 1(-1.938,1) 2(-1.938,0.5) 3(-1.938,0) 4(-1.938,-0.5) 5(-1.938,-1) 11(1.938,-1) 12(1.938,-0.5) 13(1.938,0) 14(1.938,0.5) 15(1.938,1)
  rrect 0.25x0.825 smd: 6(-1,-1.938) 7(-0.5,-1.938) 8(0,-1.938) 9(0.5,-1.938) 10(1,-1.938) 16(1,1.938) 17(0.5,1.938) 18(0,1.938) 19(-0.5,1.938) 20(-1,1.938)
  rect 2.5x2.5 smd: 21(0,0)
QFN-56-1EP_7x7mm_P0.4mm_EP3.2x3.2mm
  rrect 1.29x1.29 smd: (-0.8,0.8) (-0.8,-0.8) (0.8,0.8) (0.8,-0.8)
  rrect 0.875x0.2 smd: 1(-3.438,2.6) 2(-3.438,2.2) 3(-3.438,1.8) 4(-3.438,1.4) 5(-3.438,1) 6(-3.438,0.6) 7(-3.438,0.2) 8(-3.438,-0.2) 9(-3.438,-0.6) 10(-3.438,-1) 11(-3.438,-1.4) 12(-3.438,-1.8) 13(-3.438,-2.2) 14(-3.438,-2.6) 29(3.438,-2.6) 30(3.438,-2.2) 31(3.438,-1.8) 32(3.438,-1.4) 33(3.438,-1) 34(3.438,-0.6) 35(3.438,-0.2) 36(3.438,0.2) 37(3.438,0.6) 38(3.438,1) 39(3.438,1.4) 40(3.438,1.8) 41(3.438,2.2) 42(3.438,2.6)
  rrect 0.2x0.875 smd: 15(-2.6,-3.438) 16(-2.2,-3.438) 17(-1.8,-3.438) 18(-1.4,-3.438) 19(-1,-3.438) 20(-0.6,-3.438) 21(-0.2,-3.438) 22(0.2,-3.438) 23(0.6,-3.438) 24(1,-3.438) 25(1.4,-3.438) 26(1.8,-3.438) 27(2.2,-3.438) 28(2.6,-3.438) 43(2.6,3.438) 44(2.2,3.438) 45(1.8,3.438) 46(1.4,3.438) 47(1,3.438) 48(0.6,3.438) 49(0.2,3.438) 50(-0.2,3.438) 51(-0.6,3.438) 52(-1,3.438) 53(-1.4,3.438) 54(-1.8,3.438) 55(-2.2,3.438) 56(-2.6,3.438)
  rect 3.2x3.2 smd: 57(0,0)
R_0402_1005Metric
  rrect 0.54x0.64 smd: 1(-0.51,0) 2(0.51,0)
R_0603_1608Metric
  rrect 0.8x0.95 smd: 1(-0.825,0) 2(0.825,0)
R_0805_2012Metric
  rrect 1.025x1.4 smd: 1(-0.912,0) 2(0.912,0)
SMA_Amphenol_132203-12_Horizontal
  round 2.25 hole 1.5: 1(0,0)
  round 2.25 hole 1.7: 2(-2.54,2.54) 2(-2.54,-2.54) 2(2.54,2.54) 2(2.54,-2.54)
SOIC-8_3.9x4.9mm_P1.27mm
  rrect 1.95x0.6 smd: 1(-2.475,1.905) 2(-2.475,0.635) 3(-2.475,-0.635) 4(-2.475,-1.905) 5(2.475,-1.905) 6(2.475,-0.635) 7(2.475,0.635) 8(2.475,1.905)
SOIC-8_5.23x5.23mm_P1.27mm
  rrect 1.6x0.6 smd: 1(-3.6,1.905) 2(-3.6,0.635) 3(-3.6,-0.635) 4(-3.6,-1.905) 5(3.6,-1.905) 6(3.6,-0.635) 7(3.6,0.635) 8(3.6,1.905)
SOP-16_3.9x9.9mm_P1.27mm
  rrect 2x0.6 smd: 1(-2.5,4.445) 2(-2.5,3.175) 3(-2.5,1.905) 4(-2.5,0.635) 5(-2.5,-0.635) 6(-2.5,-1.905) 7(-2.5,-3.175) 8(-2.5,-4.445) 9(2.5,-4.445) 10(2.5,-3.175) 11(2.5,-1.905) 12(2.5,-0.635) 13(2.5,0.635) 14(2.5,1.905) 15(2.5,3.175) 16(2.5,4.445)
SOT-23
  rrect 1.475x0.6 smd: 1(-0.938,0.95) 2(-0.938,-0.95) 3(0.938,0)
SOT-23-3
  rrect 1.325x0.6 smd: 1(-1.137,0.95) 2(-1.137,-0.95) 3(1.137,0)
SOT-23-5
  rrect 1.325x0.6 smd: 1(-1.137,0.95) 2(-1.137,0) 3(-1.137,-0.95) 4(1.137,-0.95) 5(1.137,0.95)
SOT-223-3_TabPin2
  rrect 2x1.5 smd: 1(-3.15,2.3) 2(-3.15,0) 3(-3.15,-2.3)
  rrect 2x3.8 smd: 2(3.15,0)
SOT-583-8
  rrect 0.67x0.3 smd: 1(-0.74,0.75) 2(-0.74,0.25) 3(-0.74,-0.25) 4(-0.74,-0.75) 5(0.74,-0.75) 6(0.74,-0.25) 7(0.74,0.25) 8(0.74,0.75)
SW_Slide_SPDT_Straight_CK_OS102011MS2Q
  oval 2.2x3.5 hole 1.5: (-2.1,0) (6.1,0)
  rect 1.5x2.5 hole 0.8: 1(0,0)
  oval 1.5x2.5 hole 0.8: 2(2,0) 3(4,0)
TF-01A
  round 1 hole 1 unplated: (-5.004,-3.531) (2.972,-3.531)
  rect 0.7x1.3 smd: 1(2.23,7.174) 2(1.13,7.174) 3(0.03,7.174) 4(-1.07,7.174) 5(-2.17,7.174) 6(-3.27,7.174) 7(-4.37,7.174) 8(-5.47,7.174) CD1(-6.57,7.174)
  rect 1.448x1.651 smd: MP1(-7.989,6.4)
  rect 1.448x2.438 smd: MP2(-7.989,-3.3) MP3(7.836,-3.3)
  rect 1.854x1.651 smd: MP4(7.061,6.4)
TVAF06-A020B-R
  round 0.75 hole 0.75 unplated: (-0.9,0) (0.9,0)
  rrect 1.6x1.05 smd: 1(0,-2.225) 2(0,2.225)
ublox_MAX
  rrect 1.8x0.7 smd: 1(-4.75,4.4) 9(-4.75,-4.4) 10(4.75,-4.4) 18(4.75,4.4)
  rrect 1.8x0.8 smd: 2(-4.75,3.3) 3(-4.75,2.2) 4(-4.75,1.1) 5(-4.75,0) 6(-4.75,-1.1) 7(-4.75,-2.2) 8(-4.75,-3.3) 11(4.75,-3.3) 12(4.75,-2.2) 13(4.75,-1.1) 14(4.75,0) 15(4.75,1.1) 16(4.75,2.2) 17(4.75,3.3)
unnamed
  round 0.6 hole 0.6 unplated: (0,0)
unnamed#2
  round 1.6 smd: 1(0,0)
USB_C_TYPEC-301S-ACP16X7
  round 1 hole 1 unplated: (-3.25,2.11) (3.25,2.11)
  rect 0.3x1.5 smd: A1(-3.35,3.67) A4(-2.55,3.67) A5(-1.25,3.67) A6(-0.25,3.67) A7(0.25,3.67) A8(1.25,3.67) A9(2.55,3.67) A12(3.35,3.67) B1(3.05,3.67) B4(2.25,3.67) B5(1.75,3.67) B6(0.75,3.67) B7(-0.75,3.67) B8(-1.75,3.67) B9(-2.25,3.67) B12(-3.05,3.67)
  oval 0.9x1.5 hole 0.5x1.1: S1(-4.895,2.21) S1(-4.895,-0.79) S1(4.895,2.21) S1(4.895,-0.79)
USB_C_TYPEC-301S-ACP16X7#2
  round 1.2 hole 1 unplated: (-3.25,2.11) (3.25,2.11)
  rect 0.3x1.5 smd: A1(-3.35,3.67) A4(-2.55,3.67) A5(-1.25,3.67) A6(-0.25,3.67) A7(0.25,3.67) A8(1.25,3.67) A9(2.55,3.67) A12(3.35,3.67) B1(3.05,3.67) B4(2.25,3.67) B5(1.75,3.67) B6(0.75,3.67) B7(-0.75,3.67) B8(-1.75,3.67) B9(-2.25,3.67) B12(-3.05,3.67)
  oval 0.9x1.5 hole 0.5x1.1: S1(-4.895,2.21) S1(-4.895,-0.79) S1(4.895,2.21) S1(4.895,-0.79)
